# Altium PCB Ground_Station_V1.0.PcbDoc
Units mil, origin at the board's own origin, x right, y up, seen from the top; angles counter-clockwise.
Board outline 6407.48 x 6289.37 mil, 2 copper layers (Top Layer, Bottom Layer); 57 components, 50 nets, 276 pads, 40 vias.
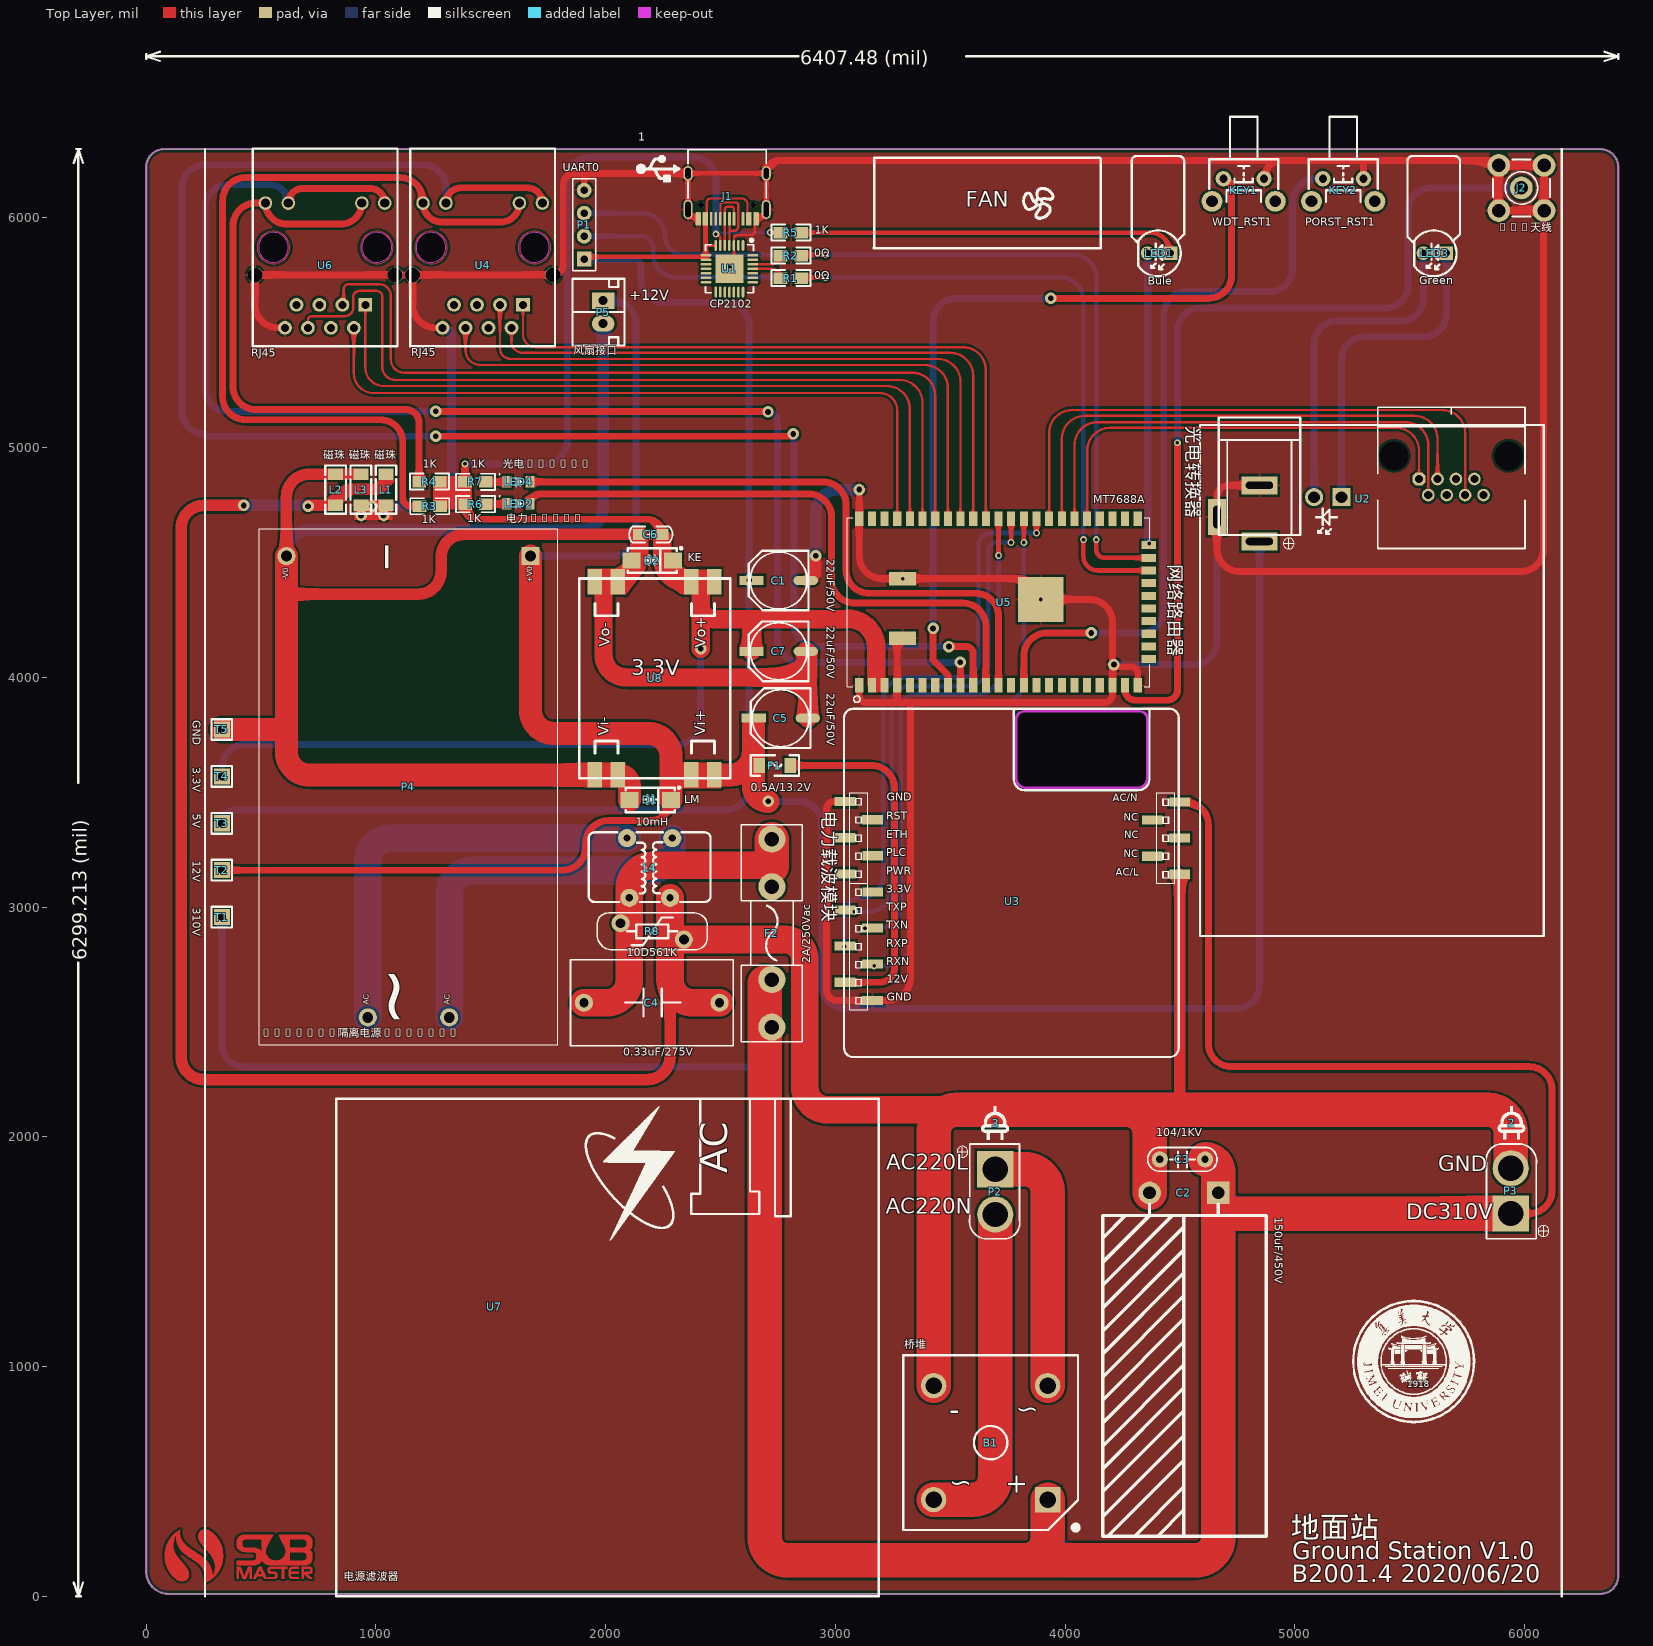
[diagram p0: Top Layer view]
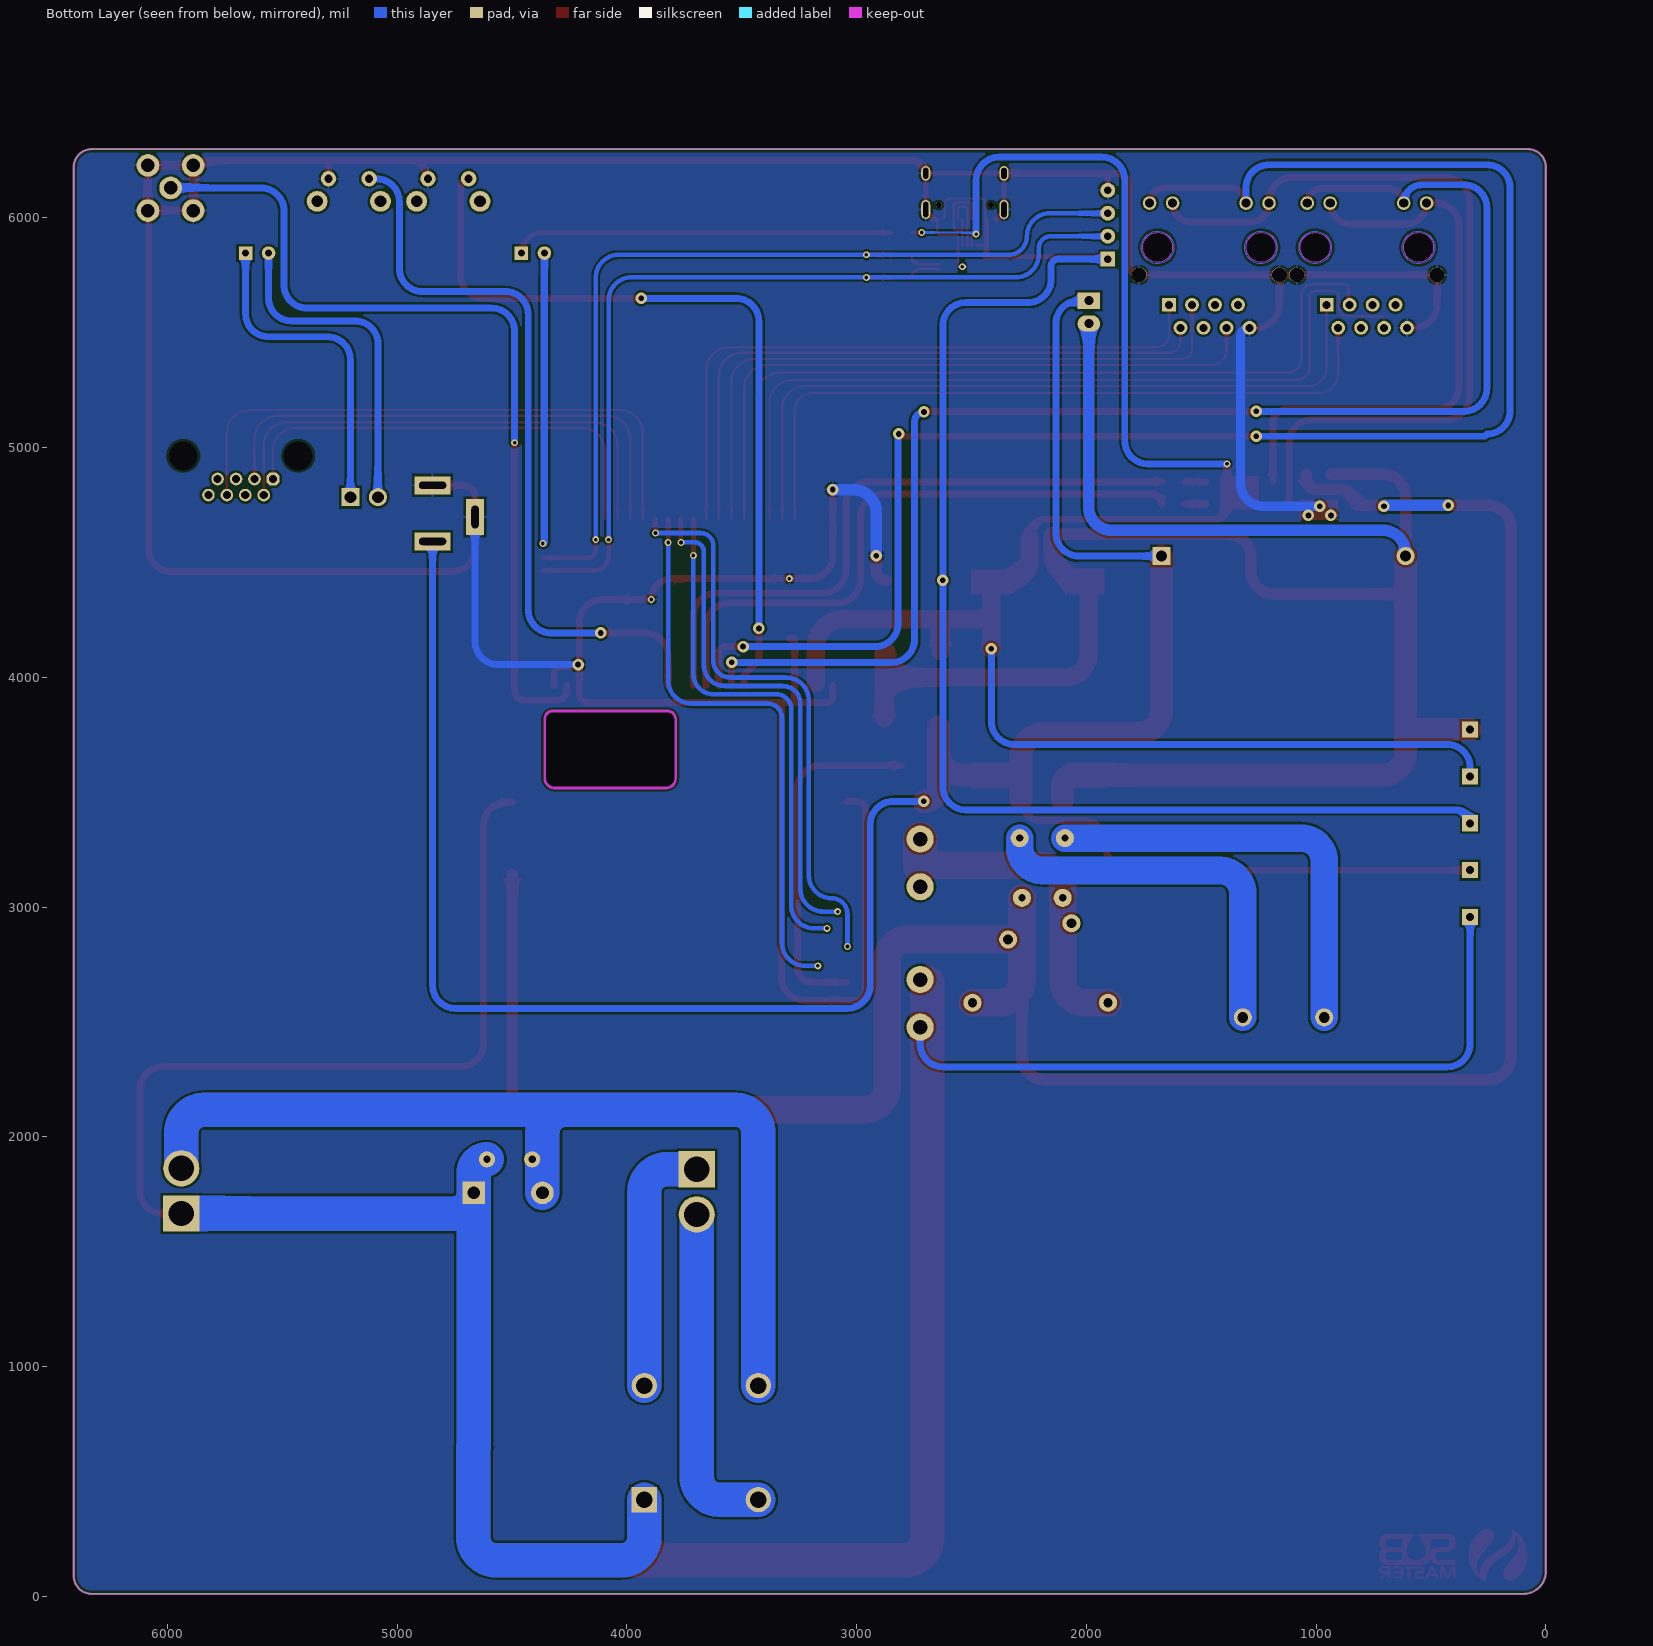
[diagram p1: Bottom Layer view, seen from below]

## Layer stack, top to bottom
Top Solder: solder mask 0.4, Solder Resist, Dk 3.5
Top Layer: signal copper 1.4
Dielectric 1: dielectric 12.6, FR-4, Dk 4.8
Bottom Layer: signal copper 1.4
Bottom Solder: solder mask 0.4, Solder Resist, Dk 3.5

## Board outline
0,108.27 ccw(c98.43,108.27) 98.43,9.84 6328.74,9.84 ccw(c6328.74,88.58) 6407.48,88.58 6407.48,6220.47 ccw(c6328.74,6220.47) 6328.74,6299.21 78.74,6299.21 ccw(c78.74,6220.47) 0,6220.47

## Design rules (kind name [scope] priority, off if disabled: settings)
Clearance [All] p1: gap=7
ComponentClearance [All] p1: gap=0 collisioncheckmode=3 verticalgap=0 showdistances=FALSE
PolygonConnect [All] p1: connectstyle=Relief reliefconductorwidth=10 reliefentries=4 polygonreliefangle="90 Angle" airgapwidth=10
RoutingVias [All] p1: holewidth=28 width=50 viastyle="Through Hole" minholewidth=28 minwidth=50 maxholewidth=28 maxwidth=50
SolderMaskExpansion [All] p1: expansion=4
Width [All] p1: maxlimit=300 minlimit=10 preferedwidth=10
29 further rules are at their usual default settings.

## Classes and differential pairs
component class device: C1 F1 J1 J2 KEY1 KEY2 LED1 LED2 LED3 LED4 P1 PORST_RST1 R1 R2 R3 R4 R5 R6 R7 U1 U2 U3 U4 U5 U6 WDT_RST1 WIFI_LED1
component class power: B1 C2 C3 C4 C5 C6 C7 D1 D2 F2 L1 L2 L3 L4 P2 P3 P4 P5 R8 T1 T2 T3 T4 T5 U7 U8

## Components (designator, comment, footprint, x,y, rotation, side; value= is the part's Value field where it differs from the comment)
1 "" "USB LOGO - duplicate" 2222.4,6219.65 r0 top
2 "" "LOGO 电源" 5945,2060 r180 top
3 "" "LOGO 电源" 3697,2059 r180 top
B1 "桥堆" KBPC1010 3681.1,669.29 r180 top
C1 "22uF/50V" "CM D(6.3*5.4)" 2751.97,4421.26 r180 top
C2 "150uF/450V" "CAP 7.5*18*35.5-H - BK" 4547.24,1181.1 r180 top
C3 "104/1KV" "CY 5*7*2.5" 4507.87,1908.5 r0 top
C4 "0.33uF/275V" "安规电容 x2v-18w15h5-9t5-p15" 2206.57,2586 r180 top
C5 "22uF/50V" "CM D(6.3*5.4)" 2760.83,3821.85 r180 top
C6 "104" 0805C 2147.57,4626 r0 top
C7 "22uF/50V" "CM D(6.3*5.4)" 2751.97,4113.19 r180 top
D1 "LM" SMA 2175.57,3478 r0 top
D2 "KE" SMA 2184.06,4519.88 r0 top
F1 "0.5A/13.2V" 1206F 2748.57,3608 r0 top
F2 "2A/250Vac" "FU 5x20" 2736.22,2913.39 r90 top
J1 "TypeC" "TYPE-C 16P" 2522.64,6127.95 r90 top
J2 "SMA天线" SMA_FR 5985.5,6120 r0 top
KEY1 "WDT_RST1" "TSW DIP-6*6*8_V" 4773.62,6220.47 r180 top
KEY2 "PORST_RST1" "TSW DIP-6*6*8_V" 5206.69,6220.47 r180 top
L1 "磁珠" 1206L 1045.57,4751 r90 top
L2 "磁珠" 1206L 822.85,4882.81 r270 top
L3 "磁珠" 1206L 936.1,4751 r90 top
L4 "10mH" T12x6x4 2193.57,3167 r90 top
LED1 "Bule" "LED 5mm 弯" 4389.76,5708.66 r180 top
LED2 "电力-Blue" 0805LED(GREEN) 1572.83,4756.89 r0 top
LED3 "Green" "LED 5mm 弯" 5590.55,5708.66 r180 top
LED4 "光电-Green" 0805LED(GREEN) 1572.83,4852.36 r0 top
P1 "UART0" "Header 4" 1907.57,5819 r180 top
P2 "AC220V" XT30-F 3710.57,1772 r0 top
P3 "DC310V" XT30-F 5924.57,1752.32 r180 top
P4 "Hi-Link隔离电源(20M12)" HLK-20M24 492.13,2401.57 r90 top locked
P5 "风扇接口" XH2/2.54mm/180 1989.17,5634.84 r270 top
R1 "0Ω" 0805R 2755.01,5737.14 r0 top
R2 "0Ω" 0805R 2755.01,5835.14 r0 top
R3 "1K" 0805R 1285.43,4745.08 r180 top
R4 "1K" 0805R 1284.45,4852.36 r180 top
R5 "1K" 0805R 2857.57,5936 r180 top
R6 "1K" 0805R 1484.8,4753.94 r180 top
R7 "1K" 0805R 1484.25,4851.38 r180 top
R8 "10D561K" "VDR 10D-4.5" 2221.57,2913 r180 top
T1 "310V" "HEADER 1" 329.57,2951 r270 top
T2 "12V" "HEADER 1" 329.57,3155.24 r270 top
T3 "5V" "HEADER 1" 329.57,3359.48 r270 top
T4 "3.3V" "HEADER 1" 329.57,3563.72 r270 top
T5 "GND" "HEADER 1" 329.57,3767.96 r270 top
U1 "CP2102" QFN-28 2614.17,5853.35 r270 top
U2 "光电转换器模块" 光电转换器模块 6083.31,2874.02 r180 top
U3 "电力载波模块" 电力载波模块6410（贴片排母） 3803.57,3073 r0 top
U4 "RJ45" RJ45 1231.3,5872.05 r0 top
U5 "MT7688A" MT7688A 3877.95,4330.71 r180 top locked
U6 "RJ45" RJ45 545.28,5872.05 r0 top
U7 "电源滤波器" 电源滤波器绿灯开关双保险 1515.75,1259.84 r90 top
U8 "3.3V" MP1584电源模块 2052.17,3631.89 r90 top
? "" "LOGO 旋浆" 3888,6069 r0 top
? "" "Sub master logo" 196,171 r0 top
? "" LOGO_Thunder 2196,1832 r0 top
? "" JMU_LOGO(1.35cm) 5519,1012 r0 bottom

## Footprints (in the part's own frame and the unit in brackets; to place one, negate y for a bottom-side part, rotate by r counter-clockwise, add the part's x,y. Pads: shape width x height; smd on the part's side, far side on the other; paste and mask are expansions set on the pad)
0805C [mm]
  rect 1.35x1.25 smd: 1(-0.025,-0.112) 2(2.515,-0.112)
  silkscreen extent -1.15,-1 3.64,0.78, body extent -0.03,-0.75 2.48,0.5, height 0.79
0805LED(GREEN) [mil]
  rect 40x50 smd: 1(-2,-2) 2(98,-2)
  silkscreen extent -36,-22 71,33, body extent 7,-27 87,23, height 43
0805R [mil]
  rect 60x50 smd: 1(6.34,0.5) 2(96.34,0.5)
  silkscreen extent -34,-34 136,36, body extent 2,-24 101,24, height 31
1206F [mil] "保险丝"
  rect 50x65 smd: 1(-79.5,8) 2(55.5,8)
  silkscreen extent -117,-37 93,53, body extent -75,-24 51,40, height 34
1206L [mil]
  rect 50x65 smd: 1(-1.59,1.89) 2(133.41,1.89)
  silkscreen extent -39,-43 171,47, body extent 3,-28 129,35, height 35
"CAP 7.5*18*35.5-H - BK" [mm] "脚距7.5mm直径18mm高度35.5mm"
  rect 2.5x2.5 hole 1.4: 1(-3.033,-14.594)
  round 2.5 hole 1.4: 2(4.567,-14.594)
  silkscreen extent -8.35,-13.36 9.77,23.35, body extent -8.28,-15.09 9.73,23.32, height 18.03
"CM D(6.3*5.4)" [mm] "贴片电解电容，直径6.3mm，高5.4mm"
  rect 2.7x1 smd: 1(2.975,0)
  oval 2.7x1 smd: 2(-3.025,0)
  silkscreen extent -3.33,-3.3 3.27,3.3, body extent -3.53,-3.3 3.47,3.3, height 5.4
"CY 5*7*2.5" [mm] "脚距5mm，直径7mm，厚2.5mm"
  round 1.8 hole 0.8: 1(-2.432,-0.174) 2(2.568,-0.174)
  silkscreen extent -3.76,-1.49 3.9,1.14, body extent -3.43,-1.42 3.57,1.08, height 7
"FU 5x20" [mm] "5*20保险管底座夹子"
  round 3 hole 1.6: 1(-11.086,0.33) 1(-5.816,0.33) 2(4.444,0.33) 2(9.714,0.33)
  silkscreen extent -12.69,-3.05 11.31,3.71, body extent -11.49,-2.82 10.11,3.48, height 9.77
"HEADER 1" [mil]
  rect 70x70 hole 35: 1(-5,0)
  silkscreen extent -50,-45 40,44
"Header 4" [mil]
  rect 65x65 hole 34: 1(0.95,-0.93)
  round 65 hole 34: 2(0.95,-100.93) 3(0.95,-200.93) 4(0.95,-300.93)
  silkscreen extent -49,-351 51,49, body extent -51,-354 49,46, height 336
HLK-20M24 [mm] "HILINK 24V隔离电源模块"
  round 2 hole 1.2: 1(3,-12) 2(3,-21) 4(54,-3)
  rect 2x2 hole 1.2: 3(54,-30)
  silkscreen extent 0,-33 57,0, body extent 0,-33 57,0, height 22.6
JMU_LOGO(1.35cm) [mil]
KBPC1010 [mm] "桥堆"
  round 2.8 hole 1.8: AC1(-6.164,-6.28) AC2(6.436,6.32) DC-(6.436,-6.28)
  rect 2.8x2.8 hole 1.8: DC+(-6.164,6.32)
  silkscreen extent -9.52,-9.63 9.79,9.67, body extent -9.31,-9.43 9.59,9.47, height 7.1
"LED 5mm 弯" [mm]
  rect 1.5x1.5 hole 0.762: 1(-1.754,-3.5)
  round 1.5 hole 0.762: 2(0.786,-3.5)
  silkscreen extent -3.25,-14.22 2.54,-0.93, body extent -3.25,-14.12 2.4,-3.4, height 7
"LOGO 旋浆" [mil]
  silkscreen extent -74,-74 64,65
"LOGO 电源" [mil]
  silkscreen extent -58,-73 62,70
LOGO_Thunder [mil]
  silkscreen extent -285,-283 105,300
MP1584电源模块 [mm]
  rect 2.8x1.6 smd: 1(-1.441,2.519) 1(-1.441,-0.032) 2(-1.441,-8.16) 2(-1.441,-10.7) 3(19.901,-10.7) 3(19.901,-8.16) 4(19.901,-0.032) 4(19.901,2.508)
  silkscreen extent -1.82,-12.45 20.28,4.26, body extent -1.97,-12.42 20.3,4.18, height 4.65
MT7688A [mm] "Hi-Link MT7688A"
  rect 0.9x1.6 smd: 1(19.668,9.293) 2(18.268,9.293) 3(16.868,9.293) 4(15.468,9.293) 5(14.068,9.293) 6(12.668,9.293) 7(11.268,9.293) 8(9.868,9.293) 9(8.468,9.293) 10(7.068,9.293) 11(5.668,9.293) 12(4.268,9.293) 13(2.868,9.293) 14(1.468,9.293) 15(0.068,9.293) 16(-1.332,9.293) 17(-2.732,9.293) 18(-4.132,9.293) 19(-5.532,9.293) 20(-6.932,9.293) 21(-8.332,9.293) 22(-9.732,9.293) 23(-11.132,9.293) 34(-11.132,-9.107) 35(-9.732,-9.107) 36(-8.332,-9.107) 37(-6.932,-9.107) 38(-5.532,-9.107) 39(-4.132,-9.107) 40(-2.732,-9.107) 41(-1.332,-9.107) 42(0.068,-9.107) 43(1.468,-9.107) 44(2.868,-9.107) 45(4.268,-9.107) 46(5.668,-9.107) 47(7.068,-9.107) 48(8.468,-9.107) 49(9.868,-9.107) 50(11.268,-9.107) 51(12.668,-9.107) 52(14.068,-9.107) 53(15.468,-9.107) 54(16.868,-9.107) 55(18.268,-9.107) 56(19.668,-9.107)
  rect 1.6x0.9 smd: 24(-12.332,6.393) 25(-12.332,4.993) 26(-12.332,3.593) 27(-12.332,2.193) 28(-12.332,0.793) 29(-12.332,-0.607) 30(-12.332,-2.007) 31(-12.332,-3.407) 32(-12.332,-4.807) 33(-12.332,-6.207)
  rect 3x1.5 smd: 57(14.868,-2.507) 58(14.868,4.093)
  rect 5x5 smd: 59(-0.398,-0.206)
  silkscreen extent -12.46,-9.26 21,11.18, body extent -12.48,-9.27 20.99,9.45, height 2.1
QFN-28 [mm] "CP2102  USB转串口芯片"
  rect 3.13x3.13 smd mask+0.051: 0(1.909,-1.918)
  oval 1.2x0.28 smd mask+0.051: 1(-0.668,-0.418) 2(-0.668,-0.918) 3(-0.668,-1.418) 4(-0.668,-1.918) 5(-0.668,-2.418) 6(-0.668,-2.918) 7(-0.668,-3.418) 15(4.486,-3.418) 16(4.486,-2.918) 17(4.486,-2.418) 18(4.486,-1.918) 19(4.486,-1.418) 20(4.486,-0.918) 21(4.486,-0.418)
  oval 0.28x1.2 smd mask+0.051: 8(0.409,-4.495) 9(0.909,-4.495) 10(1.409,-4.495) 11(1.909,-4.495) 12(2.409,-4.495) 13(2.909,-4.495) 14(3.409,-4.495) 22(3.409,0.66) 23(2.909,0.66) 24(2.409,0.66) 25(1.909,0.66) 26(1.409,0.66) 27(0.909,0.66) 28(0.409,0.66)
  silkscreen extent -1.39,-4.57 4.56,0.73, body extent -0.58,-4.42 4.42,0.58, height 1
RJ45 [mil]
  rect 60x60 hole 35: 1(408.65,-250.74)
  round 60 hole 35: 2(358.65,-350.74) 3(308.65,-250.74) 4(258.65,-350.74) 5(208.65,-250.74) 6(158.65,-350.74) 7(108.65,-250.74) 8(58.65,-350.74)
  round 59.06 hole 40.16: 9(493.29,192.17) 12(-26.39,192.17)
  round 59.05 hole 40.16: 10(393.45,192.17) 11(73.45,192.17)
  round 66.93 hole 64.96: 13(538.57,-120.74) 14(-71.67,-120.74)
  round 116.14 hole 127.95: MH3(8.42,-1.24) MH3(458.42,-1.24)
  Keep-Out Layer circle w2: c8.49,-0.74 r64.96
  Keep-Out Layer circle w2: c458.49,-0.74 r64.96
  Multi-Layer circle w5: c458.42,-1.24 r70.8
  Multi-Layer circle w5: c8.42,-1.24 r70.8
  silkscreen extent -82,-431 548,429, body extent -82,-417 543,425, height 551
SMA [mm] "二极管"
  rect 2x1.75 smd: 1(-1.829,-0.305) 2(2.771,-0.305)
  silkscreen extent -2.23,-1.65 3.78,1.19, body extent -2.06,-1.63 3.05,0.97, height 2.15
SMA_FR [mm] "SMA 90度射频天线座"
  round 2.5 hole 1.5: 1(0.015,0.253) 2(-2.485,2.753) 2(2.515,2.753) 3(-2.485,-2.247) 3(2.515,-2.247)
  silkscreen extent -3.13,-2.9 3.17,3.4, body extent -3.48,-3.25 3.52,11.85, height 10.26
"Sub master logo" [mil]
  Top Layer drawing of 1550 lines, arcs and shapes, not listed
T12x6x4 [mm]
  round 2 hole 0.8: 1(-3.224,2.301) 2(3.376,2.551) 3(3.376,-2.449) 4(-3.224,-2.199)
  silkscreen extent -3.68,-6.68 4.01,6.78, body extent -3.53,-6.55 3.87,6.65, height 12
"TSW DIP-6*6*8_V" [mm] "侧按轻触开关 6*6*8mm"
  round 2.3 hole 1.3: 0(-3.591,3.779) 0(3.409,3.779)
  round 1.7 hole 0.9: 1(-2.341,1.279) 2(2.159,1.279)
  silkscreen extent -3.9,-5.58 3.72,3.82, body extent -4.27,-5.44 4.09,5.41, height 7.47
"TYPE-C 16P" [mm] "贴片USB-3.1  4固定插脚"
  round 0.65 hole 0.65: 0(-1.834,2.735) 0(-1.834,-3.045)
  oval 1.6x1 hole 0.6 slot 1.2 at 0 deg: 1(1.666,4.17) 2(1.666,-4.48)
  oval 2.1x1 hole 0.6 slot 1.7 at 0 deg: 3(-2.334,-4.48) 4(-2.334,4.17)
  rrect50% 1.5x0.3 smd: A1(-3.374,-3.505) A4(-3.374,-2.705) A6(-3.374,-0.405) A7(-3.374,0.095) A8(-3.374,1.095) A9(-3.374,2.395) A12(-3.374,3.195) B1(-3.374,2.895) B4(-3.374,2.095) B5(-3.374,1.595) B6(-3.374,0.595) B7(-3.374,-0.905) B8(-3.374,-1.905) B9(-3.374,-2.405) B12(-3.374,-3.205)
  rrect50% 0x0 smd: A5(-3.374,-1.405)
  silkscreen extent -1.07,-4.48 4.27,4.17, body extent -3.45,-4.65 4.45,4.29, height 3.25
"USB LOGO - duplicate" [mil]
  silkscreen extent -90,-64 102,53
"VDR 10D-4.5" [mm] "压敏电阻10mm*4.5mm(直径*厚度）"
  round 2 hole 1.1: 1(-3.017,1.383) 2(3.983,-0.417)
  silkscreen extent -5.61,-1.55 6.58,2.53, body extent -5.52,-1.52 6.48,2.48, height 13.5
XH2/2.54mm/180 [mm]
  rect 1.8x2.5 hole 1: 1(-0.12,0)
  oval 1.8x2.5 hole 1: 2(2.42,0)
  silkscreen extent -2.55,-3.4 4.85,2.35, body extent -2.55,-3.4 4.85,2.35, height 7
XT30-F [mm]
  rect 4x4 hole 2.8: 1(-0.375,2.2)
  round 4 hole 2.8: 2(-0.375,-2.8)
  silkscreen extent -4.6,-5.47 2.33,4.98, body extent -3.02,-5.4 2.17,4.8, height 9.4
光电转换器模块 [mm]
  oct 1.4x1.4 hole 0.9: 1(13.791,-50.523)
  round 1.4 hole 0.9: 2(12.771,-48.743) 3(11.751,-50.523) 4(10.731,-48.743) 5(9.711,-50.523) 6(8.691,-48.743) 7(7.671,-50.523) 8(6.651,-48.743)
  round 0 hole 3.2 unplated: 9(3.871,-53.076) 10(16.571,-53.076)
  rect 4x2 hole 0.8 slot 3 at 0 deg: 13(31.437,-43.624) 14(31.437,-49.824)
  rect 2x4 hole 0.8 slot 2.5 at 90 deg: 15(36.137,-46.324)
  rect 2x2 hole 1.3 unplated: 16(22.352,-48.514)
  round 2 hole 1.3 unplated: 17(25.4,-48.514)
  silkscreen extent 0,-58.46 38,0, body extent 0,-56.5 38,12, height 8
"安规电容 x2v-18w15h5-9t5-p15" [mm] "18w15h5-9t5-p15"
  round 2 hole 1: 1(-7.349,0.069) 2(7.651,0.069)
  silkscreen extent -8.85,-4.68 9.15,4.82, body extent -8.85,-4.68 9.15,4.82, height 15.51
电力载波模块6410（贴片排母） [mil]
  rect 90.16x40.16 smd mask+0: 0(575,148.26) 1(-762,385.74) 2(-642,307) 3(-762,228.26) 4(-641,150) 5(-761,71.26) 6(-641,-7.48) 7(-761,-86.22) 8(-642,-164) 9(-762,-242.74) 10(-642,-321.48) 11(-762,-400.22) 12(-642,-479.48) 13(695,69.52) 14(695,227) 15(575,305.74) 16(695,384.48)